# Allegro board OE19_backplane_1v02_b_0705_0920_customer.brd (continued)
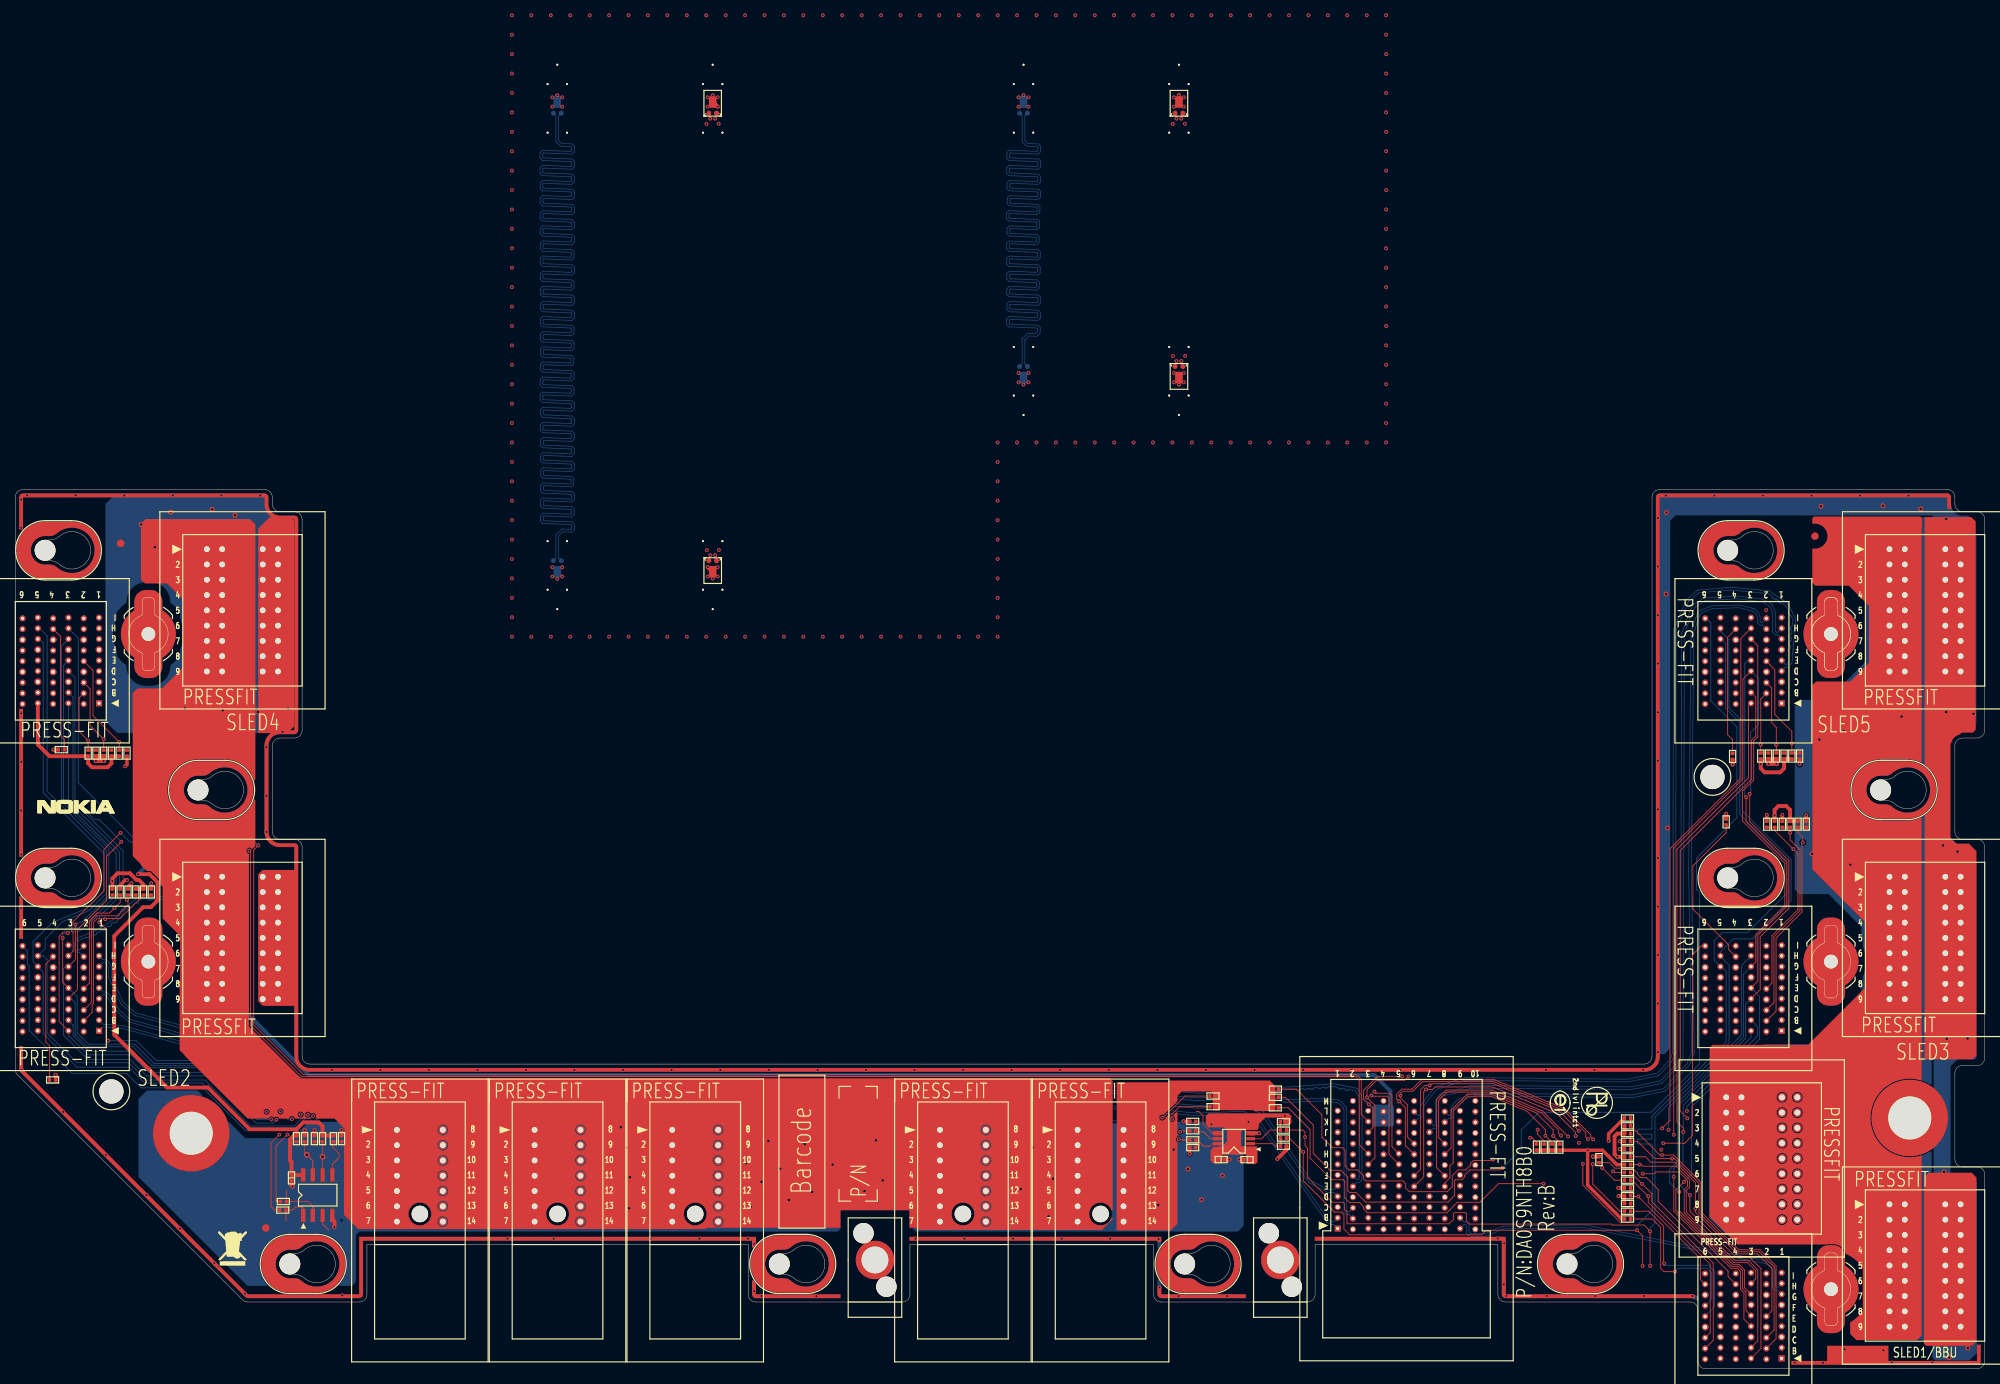
[diagram p0: board, top side]
## Copper pours and planes (outline as drawn; the poured copper is in the pictures) (continued)
GND on IN2 (solid shape): 252.6,114.49 252.95,114.35 253.09,114 253.09,113.1 253.09,113.02 252.59,113.02 252.58,113.1 252.58,113.98 215.02,113.98 215.02,40.85 214.43,39.42 213,38.83 192.99,38.83 191.97,38.93 185.44,38.93 185.2,38.83 40.3,38.83 39.51,39.15 39.44,39.26 39.54,39.34 213,39.34 214.07,39.78 214.51,40.85 214.51,114 214.65,114.35 215,114.49
GND on IN2 (solid shape): 32.6,114.49 32.95,114.35 33.09,114 33.09,113.1 33.53,112.03 34.6,111.59 36.5,111.59 36.85,111.45 36.99,111.1 36.99,83.5 36.85,83.15 36.5,83.01 34.6,83.01 33.53,82.57 33.09,81.5 33.09,70.25 33.53,69.18 34.6,68.74 36.5,68.74 36.85,68.6 36.99,68.25 36.99,41.14 36.92,41.04 36.81,41.08 36.48,41.51 36.48,68.23 34.6,68.23 33.17,68.82 32.58,70.25 32.58,81.5 33.17,82.93 34.6,83.52 36.48,83.52 36.48,111.08 34.6,111.08 33.17,111.67 32.58,113.1 32.58,113.98 1.02,113.98 1.02,99.1 0.51,99.1 0.51,114 0.65,114.35 1,114.49
GND on IN2 (solid shape): outline of 1522 points within 214.61,0.64 256.48,114.25
GND on IN2 (solid shape): outline of 4441 points within 1.98,10.28 161.7,55.87
GND on GND1 (solid shape): outline of 3510 points within 0.51,0.51 256.99,114.49
P3V3_RMC_STBY on TOP (solid shape): 166.85,33.05 166.85,32.13 166.59,31.87 166.02,31.87 165.76,32.13 165.76,32.68 165.67,32.68 165.49,32.85 163.45,32.85 162.58,31.98 162.58,31.47 162.32,31.21 162.23,31.21 162.23,31.24 160.81,31.24 160.81,31.19 160.49,31.19 160.27,30.97 160.27,29.18 160.36,29.09 162.31,29.09 162.43,28.97 162.43,27.02 162.18,26.77 161.12,26.77 161.07,26.82 161.07,27.77 160.83,28.01 157.87,28.01 157.69,27.83 157.69,27.52 157.69,27.51 157.66,27.35 157.69,27.19 157.69,27.18 157.69,26.95 157.6,26.85 156.62,26.85 156.27,27.19 156.27,28.67 156.4,28.67 156.73,28.99 157.17,28.99 157.32,29.02 157.45,29.09 157.88,29.09 157.88,29.15 158.44,29.71 158.44,31.18 158.06,31.56 156.04,31.56 155.66,31.93 155.66,33.07 156.01,33.41 166.49,33.41
P3V3_RMC_STBY on BOTTOM (solid shape): 178.71,34.54 178.9,34.51 179.09,34.54 179.1,34.55 180.02,34.55 180.27,34.3 180.27,31.83 180.11,31.67 177.4,31.67 177.4,32.18 177.41,32.18 177.43,32.33 177.41,32.49 177.4,32.49 177.4,33.58 177.41,33.58 177.43,33.74 177.41,33.89 177.4,33.89 177.4,34.25 177.7,34.55 178.7,34.55
P12V_PSU on TOP (solid shape): outline of 1477 points within 221.54,3.74 249.31,111.47
P12V_PSU on TOP (solid shape): outline of 2737 points within 15.35,18.17 143.48,111.12
P12V_PSU on BOTTOM (solid shape): outline of 1620 points within 221.47,3.79 250.72,111.35
P12V_PSU on IN1 (solid shape): outline of 1971 points within 221.47,3.79 250.72,111.35
P12V_PSU on IN1 (solid shape): outline of 2631 points within 18.46,18.43 141.79,108.49
P12V_PSU on VCC (solid shape): outline of 6247 points within 1.02,1.02 256.48,113.98
P12V_PSU on VCC1 (solid shape): outline of 6211 points within 1.02,1.02 256.48,113.98
P12V_PSU on IN2 (solid shape): outline of 1594 points within 221.47,3.79 250.72,111.35
Net_2 on TOP (solid shape): outline of 303 points within 32.15,9.95 43.15,17.45
Net_3 on BOTTOM (solid shape): outline of 303 points within 32.15,9.95 43.15,17.45
Net_34 on BOTTOM (solid shape): outline of 303 points within 199.15,9.95 210.15,17.45
Net_35 on TOP (solid shape): outline of 303 points within 149.15,9.95 160.15,17.45
Net_35 on TOP (solid shape): outline of 303 points within 199.15,9.95 210.15,17.45
Net_36 on BOTTOM (solid shape): outline of 303 points within 149.15,9.95 160.15,17.45
Net_37 on TOP (solid shape): outline of 303 points within 96.15,9.95 107.15,17.45
Net_38 on BOTTOM (solid shape): outline of 303 points within 96.15,9.95 107.15,17.45
Net_39 on TOP (solid shape): outline of 303 points within 220.15,60.45 231.15,67.95
Net_40 on BOTTOM (solid shape): outline of 303 points within 220.15,60.45 231.15,67.95
Net_41 on TOP (solid shape): outline of 303 points within 240.15,71.95 251.15,79.45
Net_42 on BOTTOM (solid shape): outline of 303 points within 240.15,71.95 251.15,79.45
Net_43 on TOP (solid shape): outline of 303 points within 220.15,103.3 231.15,110.8
Net_44 on BOTTOM (solid shape): outline of 303 points within 220.15,103.3 231.15,110.8
Net_45 on TOP (solid shape): outline of 303 points within 0.15,60.45 11.15,67.95
Net_46 on BOTTOM (solid shape): outline of 303 points within 0.15,60.45 11.15,67.95
Net_47 on TOP (solid shape): outline of 303 points within 0.15,103.3 11.15,110.8
Net_48 on BOTTOM (solid shape): outline of 303 points within 0.15,103.3 11.15,110.8
Net_49 on TOP (solid shape): outline of 303 points within 20.15,71.95 31.15,79.45
Net_50 on BOTTOM (solid shape): outline of 303 points within 20.15,71.95 31.15,79.45
TGND on GND (solid shape): outline of 3840 points within 36.11,42.36 222.49,189.64
TGND on VCC (solid shape): outline of 3275 points within 36.11,42.36 222.49,189.64
TGND on VCC1 (solid shape): outline of 3275 points within 36.11,42.36 222.49,189.64
TGND on GND1 (solid shape): outline of 3551 points within 36.11,42.36 222.49,189.64
GND on TOP (solid shape): 0.51,61.74 0.58,61.84 0.69,61.8 0.85,61.61 1.02,61.42 1.02,56.24 0.51,56.24
GND on BOTTOM (solid shape): 35.59,83.01 34.6,83.01 33.53,82.57 33.09,81.5 33.09,70.25 33.38,69.36 34.14,68.81 34.14,68.42 34.1,68.34 34.01,68.32 32.98,69.05 32.58,70.25 32.58,81.5 33.17,82.93 34.6,83.52 35.59,83.52
GND on IN1 (solid shape): 0.51,87.82 0.56,87.91 0.66,87.9 0.79,87.85 0.92,87.82 0.99,87.79 1.02,87.72 1.02,55.93 0.99,55.86 0.92,55.83 0.79,55.81 0.66,55.75 0.56,55.74 0.51,55.83
GND on IN1 (solid shape): 35.59,83.01 34.6,83.01 33.53,82.57 33.09,81.5 33.09,70.25 33.38,69.36 34.14,68.81 34.14,68.42 34.1,68.34 34.01,68.32 32.98,69.05 32.58,70.25 32.58,81.5 33.17,82.93 34.6,83.52 35.59,83.52
GND on IN2 (solid shape): 35.59,83.01 34.6,83.01 33.53,82.57 33.09,81.5 33.09,70.25 33.38,69.36 34.14,68.81 34.14,68.42 34.1,68.34 34.01,68.32 32.98,69.05 32.58,70.25 32.58,81.5 33.17,82.93 34.6,83.52 35.59,83.52

Small or netless copper shapes (teardrops, artwork), in the pictures only: 6 on IN1, 8 on IN2

## Text on the board
Ref Des/Silkscreen Top: SLED1/BBU | P/N:DA0S9NTH8B0 | SLED2 | SLED4 | SLED5 | SLED3 | Rev:B
User.39: MARK:TIN LEAD:RECOMMENDED DRILL SIZE FOR 0.5MM FINISHED PTH IS 0.6MM METRIC DRILL OR #74 ENGLISH DRILL.(0.57~0.61) | O:RECOMMENDED DRILL SIZE FOR 0.5MM FINISHED PTH IS 0.6MM METRIC DRILL OR #74 ENGLISH DRILL. | TIN-LEAD:RECOMMENDED DRILL SIZE FOR 0.725MM FINISHED PTH IS 0.81-0.86MM(0.85MM DRILL) | IMMERSION TIN/IMMERSION SILVER/COPPER:RECOMMENDED DRILL SIZE FOR 0.75MM FINISHED PTH IS 0.81-0.86MM(0.85MM DRILL). | GOLD:RECOMMENDED DRILL SIZE FOR 0.745MM FINISHED PTH IS 0.81-0.86MM(0.85MM DRILL) | NON-MARK:RECOMMENDED DRILL SIZE FOR 0.4MM FINISHED PTH IS 0.5MM METRIC DRILL OR #77 ENGLISH DRILL. | NON-MARK:TIN LEAD:RECOMMENDED DRILL SIZE FOR 0.4MM FINISHED PTH IS 0.5MM METRIC DRILL OR #77 ENGLISH DRILL.(0.47~0.51) | COPPER OSP/TIN(IMMERSION):RECOMMENDED DRILL SIZE FOR 0.5MM FINISHED PTH IS 0.6MM METRIC DRILL OR #74 ENGLISH DRILL.(0.54~0.6) | SILVER(IMMERSION):RECOMMENDED DRILL SIZE FOR 0.5MM FINISHED PTH IS 0.6MM METRIC DRILL OR #74 ENGLISH DRILL.(0.54~0.6) | COPPER OSP/TIN(IMMERSION):RECOMMENDED DRILL SIZE FOR 0.4MM FINISHED PTH IS 0.5MM METRIC DRILL OR #77 ENGLISH DRILL.(0.44~0.5) | SILVER(IMMERSION):RECOMMENDED DRILL SIZE FOR 0.4MM FINISHED PTH IS 0.5MM METRIC DRILL OR #77 ENGLISH DRILL.(0.44~0.5)
User.41: FIGURE | SIZE | 10.0 | 15.74 | 19.68 | 29.52 | 138.0 | 204.0 | 221.0 | 39.0 | 85.0 | 105.0 | 107.0 | 125.0 | DRILL CHART: TOP to BOTTOM | ALL UNITS ARE IN MILS | TOLERANCE | +0.0/-10.0 | +1.96/-1.96 | +3.0/-3.0 | +3.0/-0.0 | +2.0/-2.0 | +2.0/-0.0 | PLATED | NON-PLATED | QTY | 51 | 397 | 290 | 105 | 286 | 2 | 5 | 40 | 4 | 10
